# KiCad board rabbit_mask_capacitors.kicad_pcb (continued)
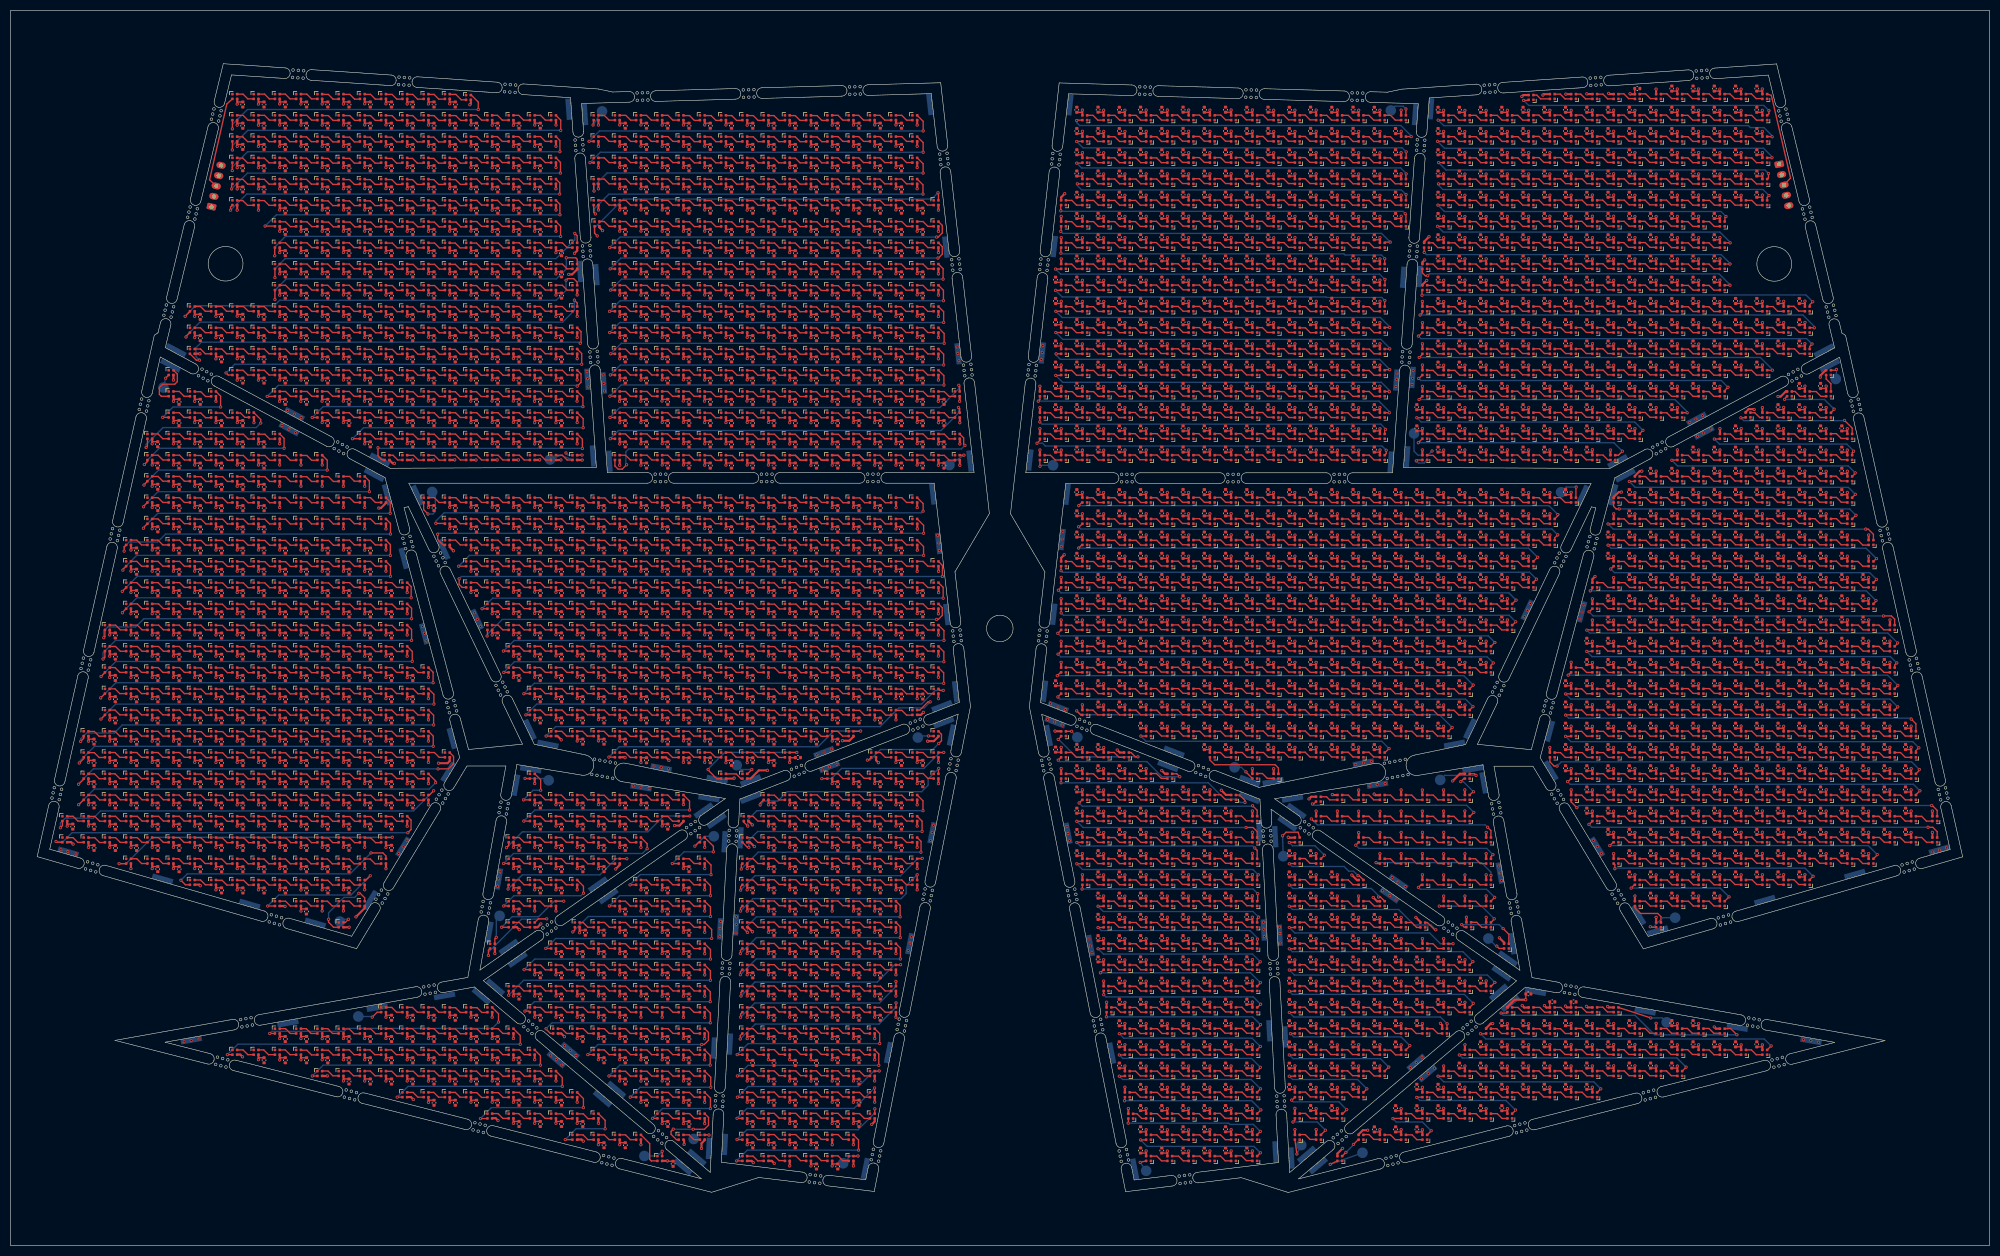
[diagram p0: board, top side]
## Placement (name value [footprint] x y rotation side) (continued)
D2117  SK6812-1515  [LED_SK6812_EC15_1.5x1.5mm]  214.2 136.36 180 top
D2118  SK6812-1515  [LED_SK6812_EC15_1.5x1.5mm]  218.2 136.36 180 top
D2119  SK6812-1515  [LED_SK6812_EC15_1.5x1.5mm]  222.2 136.36 180 top
D2120  SK6812-1515  [LED_SK6812_EC15_1.5x1.5mm]  226.2 136.36 180 top
D2121  SK6812-1515  [LED_SK6812_EC15_1.5x1.5mm]  230.2 136.36 180 top
D2122  SK6812-1515  [LED_SK6812_EC15_1.5x1.5mm]  234.2 136.36 180 top
D2123  SK6812-1515  [LED_SK6812_EC15_1.5x1.5mm]  238.2 136.36 180 top
D2124  SK6812-1515  [LED_SK6812_EC15_1.5x1.5mm]  242.2 136.36 180 top
D2125  SK6812-1515  [LED_SK6812_EC15_1.5x1.5mm]  246.2 136.36 180 top
D2126  SK6812-1515  [LED_SK6812_EC15_1.5x1.5mm]  250.2 136.36 180 top
D2127  SK6812-1515  [LED_SK6812_EC15_1.5x1.5mm]  254.2 136.36 180 top
D2128  SK6812-1515  [LED_SK6812_EC15_1.5x1.5mm]  258.2 136.36 180 top
D2129  SK6812-1515  [LED_SK6812_EC15_1.5x1.5mm]  262.2 136.36 180 top
D2130  SK6812-1515  [LED_SK6812_EC15_1.5x1.5mm]  266.2 136.36 180 top
D2131  SK6812-1515  [LED_SK6812_EC15_1.5x1.5mm]  270.2 136.36 180 top
D2132  SK6812-1515  [LED_SK6812_EC15_1.5x1.5mm]  274.2 136.36 180 top
D2133  SK6812-1515  [LED_SK6812_EC15_1.5x1.5mm]  278.2 136.36 180 top
D2134  SK6812-1515  [LED_SK6812_EC15_1.5x1.5mm]  282.2 136.36 180 top
D2135  SK6812-1515  [LED_SK6812_EC15_1.5x1.5mm]  286.2 136.36 180 top
D2136  SK6812-1515  [LED_SK6812_EC15_1.5x1.5mm]  290.2 136.36 180 top
D2137  SK6812-1515  [LED_SK6812_EC15_1.5x1.5mm]  302.2 136.36 180 top
D2138  SK6812-1515  [LED_SK6812_EC15_1.5x1.5mm]  306.2 136.36 180 top
D2139  SK6812-1515  [LED_SK6812_EC15_1.5x1.5mm]  310.2 136.36 180 top
D2140  SK6812-1515  [LED_SK6812_EC15_1.5x1.5mm]  314.2 136.36 180 top
D2141  SK6812-1515  [LED_SK6812_EC15_1.5x1.5mm]  318.2 136.36 180 top
D2142  SK6812-1515  [LED_SK6812_EC15_1.5x1.5mm]  322.2 136.36 180 top
D2143  SK6812-1515  [LED_SK6812_EC15_1.5x1.5mm]  326.2 136.36 180 top
D2144  SK6812-1515  [LED_SK6812_EC15_1.5x1.5mm]  330.2 136.36 180 top
D2145  SK6812-1515  [LED_SK6812_EC15_1.5x1.5mm]  334.2 136.36 180 top
D2146  SK6812-1515  [LED_SK6812_EC15_1.5x1.5mm]  338.2 136.36 180 top
D2147  SK6812-1515  [LED_SK6812_EC15_1.5x1.5mm]  342.2 136.36 180 top
D2148  SK6812-1515  [LED_SK6812_EC15_1.5x1.5mm]  346.2 136.36 180 top
D2149  SK6812-1515  [LED_SK6812_EC15_1.5x1.5mm]  202.2 132.36 180 top
D2150  SK6812-1515  [LED_SK6812_EC15_1.5x1.5mm]  206.2 132.36 180 top
D2151  SK6812-1515  [LED_SK6812_EC15_1.5x1.5mm]  210.2 132.36 180 top
D2152  SK6812-1515  [LED_SK6812_EC15_1.5x1.5mm]  214.2 132.36 180 top
D2153  SK6812-1515  [LED_SK6812_EC15_1.5x1.5mm]  218.2 132.36 180 top
D2154  SK6812-1515  [LED_SK6812_EC15_1.5x1.5mm]  222.2 132.36 180 top
D2155  SK6812-1515  [LED_SK6812_EC15_1.5x1.5mm]  226.2 132.36 180 top
D2156  SK6812-1515  [LED_SK6812_EC15_1.5x1.5mm]  230.2 132.36 180 top
D2157  SK6812-1515  [LED_SK6812_EC15_1.5x1.5mm]  234.2 132.36 180 top
D2158  SK6812-1515  [LED_SK6812_EC15_1.5x1.5mm]  238.2 132.36 180 top
D2159  SK6812-1515  [LED_SK6812_EC15_1.5x1.5mm]  242.2 132.36 180 top
D2160  SK6812-1515  [LED_SK6812_EC15_1.5x1.5mm]  246.2 132.36 180 top
D2161  SK6812-1515  [LED_SK6812_EC15_1.5x1.5mm]  250.2 132.36 180 top
D2162  SK6812-1515  [LED_SK6812_EC15_1.5x1.5mm]  254.2 132.36 180 top
D2163  SK6812-1515  [LED_SK6812_EC15_1.5x1.5mm]  258.2 132.36 180 top
D2164  SK6812-1515  [LED_SK6812_EC15_1.5x1.5mm]  262.2 132.36 180 top
D2165  SK6812-1515  [LED_SK6812_EC15_1.5x1.5mm]  266.2 132.36 180 top
D2166  SK6812-1515  [LED_SK6812_EC15_1.5x1.5mm]  270.2 132.36 180 top
D2167  SK6812-1515  [LED_SK6812_EC15_1.5x1.5mm]  274.2 132.36 180 top
D2168  SK6812-1515  [LED_SK6812_EC15_1.5x1.5mm]  278.2 132.36 180 top
D2169  SK6812-1515  [LED_SK6812_EC15_1.5x1.5mm]  282.2 132.36 180 top
D2170  SK6812-1515  [LED_SK6812_EC15_1.5x1.5mm]  286.2 132.36 180 top
D2171  SK6812-1515  [LED_SK6812_EC15_1.5x1.5mm]  290.2 132.36 180 top
D2172  SK6812-1515  [LED_SK6812_EC15_1.5x1.5mm]  302.2 132.36 180 top
D2173  SK6812-1515  [LED_SK6812_EC15_1.5x1.5mm]  306.2 132.36 180 top
D2174  SK6812-1515  [LED_SK6812_EC15_1.5x1.5mm]  310.2 132.36 180 top
D2175  SK6812-1515  [LED_SK6812_EC15_1.5x1.5mm]  314.2 132.36 180 top
D2176  SK6812-1515  [LED_SK6812_EC15_1.5x1.5mm]  318.2 132.36 180 top
D2177  SK6812-1515  [LED_SK6812_EC15_1.5x1.5mm]  322.2 132.36 180 top
D2178  SK6812-1515  [LED_SK6812_EC15_1.5x1.5mm]  326.2 132.36 180 top
D2179  SK6812-1515  [LED_SK6812_EC15_1.5x1.5mm]  330.2 132.36 180 top
D2180  SK6812-1515  [LED_SK6812_EC15_1.5x1.5mm]  334.2 132.36 180 top
D2181  SK6812-1515  [LED_SK6812_EC15_1.5x1.5mm]  338.2 132.36 180 top
D2182  SK6812-1515  [LED_SK6812_EC15_1.5x1.5mm]  342.2 132.36 180 top
D2183  SK6812-1515  [LED_SK6812_EC15_1.5x1.5mm]  346.2 132.36 180 top
D2184  SK6812-1515  [LED_SK6812_EC15_1.5x1.5mm]  350.2 132.36 180 top
D2185  SK6812-1515  [LED_SK6812_EC15_1.5x1.5mm]  198.2 128.36 180 top
D2186  SK6812-1515  [LED_SK6812_EC15_1.5x1.5mm]  202.2 128.36 180 top
D2187  SK6812-1515  [LED_SK6812_EC15_1.5x1.5mm]  206.2 128.36 180 top
D2188  SK6812-1515  [LED_SK6812_EC15_1.5x1.5mm]  210.2 128.36 180 top
D2189  SK6812-1515  [LED_SK6812_EC15_1.5x1.5mm]  214.2 128.36 180 top
D2190  SK6812-1515  [LED_SK6812_EC15_1.5x1.5mm]  218.2 128.36 180 top
D2191  SK6812-1515  [LED_SK6812_EC15_1.5x1.5mm]  222.2 128.36 180 top
D2192  SK6812-1515  [LED_SK6812_EC15_1.5x1.5mm]  226.2 128.36 180 top
D2193  SK6812-1515  [LED_SK6812_EC15_1.5x1.5mm]  230.2 128.36 180 top
D2194  SK6812-1515  [LED_SK6812_EC15_1.5x1.5mm]  234.2 128.36 180 top
D2195  SK6812-1515  [LED_SK6812_EC15_1.5x1.5mm]  238.2 128.36 180 top
D2196  SK6812-1515  [LED_SK6812_EC15_1.5x1.5mm]  242.2 128.36 180 top
D2197  SK6812-1515  [LED_SK6812_EC15_1.5x1.5mm]  246.2 128.36 180 top
D2198  SK6812-1515  [LED_SK6812_EC15_1.5x1.5mm]  250.2 128.36 180 top
D2199  SK6812-1515  [LED_SK6812_EC15_1.5x1.5mm]  254.2 128.36 180 top
D2200  SK6812-1515  [LED_SK6812_EC15_1.5x1.5mm]  258.2 128.36 180 top
D2201  SK6812-1515  [LED_SK6812_EC15_1.5x1.5mm]  262.2 128.36 180 top
D2202  SK6812-1515  [LED_SK6812_EC15_1.5x1.5mm]  266.2 128.36 180 top
D2203  SK6812-1515  [LED_SK6812_EC15_1.5x1.5mm]  270.2 128.36 180 top
D2204  SK6812-1515  [LED_SK6812_EC15_1.5x1.5mm]  274.2 128.36 180 top
D2205  SK6812-1515  [LED_SK6812_EC15_1.5x1.5mm]  278.2 128.36 180 top
D2206  SK6812-1515  [LED_SK6812_EC15_1.5x1.5mm]  282.2 128.36 180 top
D2207  SK6812-1515  [LED_SK6812_EC15_1.5x1.5mm]  286.2 128.36 180 top
D2208  SK6812-1515  [LED_SK6812_EC15_1.5x1.5mm]  302.2 128.36 180 top
D2209  SK6812-1515  [LED_SK6812_EC15_1.5x1.5mm]  306.2 128.36 180 top
D2210  SK6812-1515  [LED_SK6812_EC15_1.5x1.5mm]  310.2 128.36 180 top
D2211  SK6812-1515  [LED_SK6812_EC15_1.5x1.5mm]  314.2 128.36 180 top
D2212  SK6812-1515  [LED_SK6812_EC15_1.5x1.5mm]  318.2 128.36 180 top
D2213  SK6812-1515  [LED_SK6812_EC15_1.5x1.5mm]  322.2 128.36 180 top
D2214  SK6812-1515  [LED_SK6812_EC15_1.5x1.5mm]  326.2 128.36 180 top
D2215  SK6812-1515  [LED_SK6812_EC15_1.5x1.5mm]  330.2 128.36 180 top
D2216  SK6812-1515  [LED_SK6812_EC15_1.5x1.5mm]  334.2 128.36 180 top
D2217  SK6812-1515  [LED_SK6812_EC15_1.5x1.5mm]  338.2 128.36 180 top
D2218  SK6812-1515  [LED_SK6812_EC15_1.5x1.5mm]  342.2 128.36 180 top
D2219  SK6812-1515  [LED_SK6812_EC15_1.5x1.5mm]  346.2 128.36 180 top
D2220  SK6812-1515  [LED_SK6812_EC15_1.5x1.5mm]  350.2 128.36 180 top
D2221  SK6812-1515  [LED_SK6812_EC15_1.5x1.5mm]  198.2 124.36 180 top
D2222  SK6812-1515  [LED_SK6812_EC15_1.5x1.5mm]  202.2 124.36 180 top
D2223  SK6812-1515  [LED_SK6812_EC15_1.5x1.5mm]  206.2 124.36 180 top
D2224  SK6812-1515  [LED_SK6812_EC15_1.5x1.5mm]  210.2 124.36 180 top
D2225  SK6812-1515  [LED_SK6812_EC15_1.5x1.5mm]  214.2 124.36 180 top
D2226  SK6812-1515  [LED_SK6812_EC15_1.5x1.5mm]  218.2 124.36 180 top
D2227  SK6812-1515  [LED_SK6812_EC15_1.5x1.5mm]  222.2 124.36 180 top
D2228  SK6812-1515  [LED_SK6812_EC15_1.5x1.5mm]  226.2 124.36 180 top
D2229  SK6812-1515  [LED_SK6812_EC15_1.5x1.5mm]  230.2 124.36 180 top
D2230  SK6812-1515  [LED_SK6812_EC15_1.5x1.5mm]  234.2 124.36 180 top
D2231  SK6812-1515  [LED_SK6812_EC15_1.5x1.5mm]  238.2 124.36 180 top
D2232  SK6812-1515  [LED_SK6812_EC15_1.5x1.5mm]  242.2 124.36 180 top
D2233  SK6812-1515  [LED_SK6812_EC15_1.5x1.5mm]  246.2 124.36 180 top
D2234  SK6812-1515  [LED_SK6812_EC15_1.5x1.5mm]  250.2 124.36 180 top
D2235  SK6812-1515  [LED_SK6812_EC15_1.5x1.5mm]  254.2 124.36 180 top
D2236  SK6812-1515  [LED_SK6812_EC15_1.5x1.5mm]  258.2 124.36 180 top
D2237  SK6812-1515  [LED_SK6812_EC15_1.5x1.5mm]  262.2 124.36 180 top
D2238  SK6812-1515  [LED_SK6812_EC15_1.5x1.5mm]  266.2 124.36 180 top
D2239  SK6812-1515  [LED_SK6812_EC15_1.5x1.5mm]  270.2 124.36 180 top
D2240  SK6812-1515  [LED_SK6812_EC15_1.5x1.5mm]  274.2 124.36 180 top
D2241  SK6812-1515  [LED_SK6812_EC15_1.5x1.5mm]  278.2 124.36 180 top
D2242  SK6812-1515  [LED_SK6812_EC15_1.5x1.5mm]  282.2 124.36 180 top
D2243  SK6812-1515  [LED_SK6812_EC15_1.5x1.5mm]  286.2 124.36 180 top
D2244  SK6812-1515  [LED_SK6812_EC15_1.5x1.5mm]  298.2 124.36 180 top
D2245  SK6812-1515  [LED_SK6812_EC15_1.5x1.5mm]  302.2 124.36 180 top
D2246  SK6812-1515  [LED_SK6812_EC15_1.5x1.5mm]  306.2 124.36 180 top
D2247  SK6812-1515  [LED_SK6812_EC15_1.5x1.5mm]  310.2 124.36 180 top
D2248  SK6812-1515  [LED_SK6812_EC15_1.5x1.5mm]  314.2 124.36 180 top
D2249  SK6812-1515  [LED_SK6812_EC15_1.5x1.5mm]  318.2 124.36 180 top
D2250  SK6812-1515  [LED_SK6812_EC15_1.5x1.5mm]  322.2 124.36 180 top
D2251  SK6812-1515  [LED_SK6812_EC15_1.5x1.5mm]  326.2 124.36 180 top
D2252  SK6812-1515  [LED_SK6812_EC15_1.5x1.5mm]  330.2 124.36 180 top
D2253  SK6812-1515  [LED_SK6812_EC15_1.5x1.5mm]  334.2 124.36 180 top
D2254  SK6812-1515  [LED_SK6812_EC15_1.5x1.5mm]  338.2 124.36 180 top
D2255  SK6812-1515  [LED_SK6812_EC15_1.5x1.5mm]  342.2 124.36 180 top
D2256  SK6812-1515  [LED_SK6812_EC15_1.5x1.5mm]  346.2 124.36 180 top
D2257  SK6812-1515  [LED_SK6812_EC15_1.5x1.5mm]  350.2 124.36 180 top
D2258  SK6812-1515  [LED_SK6812_EC15_1.5x1.5mm]  198.2 120.36 180 top
D2259  SK6812-1515  [LED_SK6812_EC15_1.5x1.5mm]  202.2 120.36 180 top
D2260  SK6812-1515  [LED_SK6812_EC15_1.5x1.5mm]  206.2 120.36 180 top
D2261  SK6812-1515  [LED_SK6812_EC15_1.5x1.5mm]  210.2 120.36 180 top
D2262  SK6812-1515  [LED_SK6812_EC15_1.5x1.5mm]  214.2 120.36 180 top
D2263  SK6812-1515  [LED_SK6812_EC15_1.5x1.5mm]  218.2 120.36 180 top
D2264  SK6812-1515  [LED_SK6812_EC15_1.5x1.5mm]  222.2 120.36 180 top
D2265  SK6812-1515  [LED_SK6812_EC15_1.5x1.5mm]  226.2 120.36 180 top
D2266  SK6812-1515  [LED_SK6812_EC15_1.5x1.5mm]  230.2 120.36 180 top
D2267  SK6812-1515  [LED_SK6812_EC15_1.5x1.5mm]  234.2 120.36 180 top
D2268  SK6812-1515  [LED_SK6812_EC15_1.5x1.5mm]  238.2 120.36 180 top
D2269  SK6812-1515  [LED_SK6812_EC15_1.5x1.5mm]  242.2 120.36 180 top
D2270  SK6812-1515  [LED_SK6812_EC15_1.5x1.5mm]  246.2 120.36 180 top
D2271  SK6812-1515  [LED_SK6812_EC15_1.5x1.5mm]  250.2 120.36 180 top
D2272  SK6812-1515  [LED_SK6812_EC15_1.5x1.5mm]  254.2 120.36 180 top
D2273  SK6812-1515  [LED_SK6812_EC15_1.5x1.5mm]  258.2 120.36 180 top
D2274  SK6812-1515  [LED_SK6812_EC15_1.5x1.5mm]  262.2 120.36 180 top
D2275  SK6812-1515  [LED_SK6812_EC15_1.5x1.5mm]  266.2 120.36 180 top
D2276  SK6812-1515  [LED_SK6812_EC15_1.5x1.5mm]  270.2 120.36 180 top
D2277  SK6812-1515  [LED_SK6812_EC15_1.5x1.5mm]  274.2 120.36 180 top
D2278  SK6812-1515  [LED_SK6812_EC15_1.5x1.5mm]  278.2 120.36 180 top
D2279  SK6812-1515  [LED_SK6812_EC15_1.5x1.5mm]  282.2 120.36 180 top
D2280  SK6812-1515  [LED_SK6812_EC15_1.5x1.5mm]  298.2 120.36 180 top
D2281  SK6812-1515  [LED_SK6812_EC15_1.5x1.5mm]  302.2 120.36 180 top
D2282  SK6812-1515  [LED_SK6812_EC15_1.5x1.5mm]  306.2 120.36 180 top
D2283  SK6812-1515  [LED_SK6812_EC15_1.5x1.5mm]  310.2 120.36 180 top
D2284  SK6812-1515  [LED_SK6812_EC15_1.5x1.5mm]  314.2 120.36 180 top
D2285  SK6812-1515  [LED_SK6812_EC15_1.5x1.5mm]  318.2 120.36 180 top
D2286  SK6812-1515  [LED_SK6812_EC15_1.5x1.5mm]  322.2 120.36 180 top
D2287  SK6812-1515  [LED_SK6812_EC15_1.5x1.5mm]  326.2 120.36 180 top
D2288  SK6812-1515  [LED_SK6812_EC15_1.5x1.5mm]  330.2 120.36 180 top
D2289  SK6812-1515  [LED_SK6812_EC15_1.5x1.5mm]  334.2 120.36 180 top
D2290  SK6812-1515  [LED_SK6812_EC15_1.5x1.5mm]  338.2 120.36 180 top
D2291  SK6812-1515  [LED_SK6812_EC15_1.5x1.5mm]  342.2 120.36 180 top
D2292  SK6812-1515  [LED_SK6812_EC15_1.5x1.5mm]  346.2 120.36 180 top
D2293  SK6812-1515  [LED_SK6812_EC15_1.5x1.5mm]  350.2 120.36 180 top
D2294  SK6812-1515  [LED_SK6812_EC15_1.5x1.5mm]  198.2 116.36 180 top
D2295  SK6812-1515  [LED_SK6812_EC15_1.5x1.5mm]  202.2 116.36 180 top
D2296  SK6812-1515  [LED_SK6812_EC15_1.5x1.5mm]  206.2 116.36 180 top
D2297  SK6812-1515  [LED_SK6812_EC15_1.5x1.5mm]  210.2 116.36 180 top
D2298  SK6812-1515  [LED_SK6812_EC15_1.5x1.5mm]  214.2 116.36 180 top
D2299  SK6812-1515  [LED_SK6812_EC15_1.5x1.5mm]  218.2 116.36 180 top
D2300  SK6812-1515  [LED_SK6812_EC15_1.5x1.5mm]  222.2 116.36 180 top
D2301  SK6812-1515  [LED_SK6812_EC15_1.5x1.5mm]  226.2 116.36 180 top
D2302  SK6812-1515  [LED_SK6812_EC15_1.5x1.5mm]  230.2 116.36 180 top
D2303  SK6812-1515  [LED_SK6812_EC15_1.5x1.5mm]  234.2 116.36 180 top
D2304  SK6812-1515  [LED_SK6812_EC15_1.5x1.5mm]  238.2 116.36 180 top
D2305  SK6812-1515  [LED_SK6812_EC15_1.5x1.5mm]  242.2 116.36 180 top
D2306  SK6812-1515  [LED_SK6812_EC15_1.5x1.5mm]  246.2 116.36 180 top
D2307  SK6812-1515  [LED_SK6812_EC15_1.5x1.5mm]  250.2 116.36 180 top
D2308  SK6812-1515  [LED_SK6812_EC15_1.5x1.5mm]  254.2 116.36 180 top
D2309  SK6812-1515  [LED_SK6812_EC15_1.5x1.5mm]  258.2 116.36 180 top
D2310  SK6812-1515  [LED_SK6812_EC15_1.5x1.5mm]  262.2 116.36 180 top
D2311  SK6812-1515  [LED_SK6812_EC15_1.5x1.5mm]  266.2 116.36 180 top
D2312  SK6812-1515  [LED_SK6812_EC15_1.5x1.5mm]  270.2 116.36 180 top
D2313  SK6812-1515  [LED_SK6812_EC15_1.5x1.5mm]  274.2 116.36 180 top
D2314  SK6812-1515  [LED_SK6812_EC15_1.5x1.5mm]  278.2 116.36 180 top
D2315  SK6812-1515  [LED_SK6812_EC15_1.5x1.5mm]  282.2 116.36 180 top
D2316  SK6812-1515  [LED_SK6812_EC15_1.5x1.5mm]  298.2 116.36 180 top
D2317  SK6812-1515  [LED_SK6812_EC15_1.5x1.5mm]  302.2 116.36 180 top
D2318  SK6812-1515  [LED_SK6812_EC15_1.5x1.5mm]  306.2 116.36 180 top
D2319  SK6812-1515  [LED_SK6812_EC15_1.5x1.5mm]  310.2 116.36 180 top
D2320  SK6812-1515  [LED_SK6812_EC15_1.5x1.5mm]  314.2 116.36 180 top
D2321  SK6812-1515  [LED_SK6812_EC15_1.5x1.5mm]  318.2 116.36 180 top
D2322  SK6812-1515  [LED_SK6812_EC15_1.5x1.5mm]  322.2 116.36 180 top
D2323  SK6812-1515  [LED_SK6812_EC15_1.5x1.5mm]  326.2 116.36 180 top
D2324  SK6812-1515  [LED_SK6812_EC15_1.5x1.5mm]  330.2 116.36 180 top
D2325  SK6812-1515  [LED_SK6812_EC15_1.5x1.5mm]  334.2 116.36 180 top
D2326  SK6812-1515  [LED_SK6812_EC15_1.5x1.5mm]  338.2 116.36 180 top
D2327  SK6812-1515  [LED_SK6812_EC15_1.5x1.5mm]  342.2 116.36 180 top
D2328  SK6812-1515  [LED_SK6812_EC15_1.5x1.5mm]  346.2 116.36 180 top
D2329  SK6812-1515  [LED_SK6812_EC15_1.5x1.5mm]  350.2 116.36 180 top
D2330  SK6812-1515  [LED_SK6812_EC15_1.5x1.5mm]  354.2 116.36 180 top
D2331  SK6812-1515  [LED_SK6812_EC15_1.5x1.5mm]  198.2 112.36 180 top
D2332  SK6812-1515  [LED_SK6812_EC15_1.5x1.5mm]  202.2 112.36 180 top
D2333  SK6812-1515  [LED_SK6812_EC15_1.5x1.5mm]  206.2 112.36 180 top
D2334  SK6812-1515  [LED_SK6812_EC15_1.5x1.5mm]  210.2 112.36 180 top
D2335  SK6812-1515  [LED_SK6812_EC15_1.5x1.5mm]  214.2 112.36 180 top
D2336  SK6812-1515  [LED_SK6812_EC15_1.5x1.5mm]  218.2 112.36 180 top
D2337  SK6812-1515  [LED_SK6812_EC15_1.5x1.5mm]  222.2 112.36 180 top
D2338  SK6812-1515  [LED_SK6812_EC15_1.5x1.5mm]  226.2 112.36 180 top
D2339  SK6812-1515  [LED_SK6812_EC15_1.5x1.5mm]  230.2 112.36 180 top
D2340  SK6812-1515  [LED_SK6812_EC15_1.5x1.5mm]  234.2 112.36 180 top
D2341  SK6812-1515  [LED_SK6812_EC15_1.5x1.5mm]  238.2 112.36 180 top
D2342  SK6812-1515  [LED_SK6812_EC15_1.5x1.5mm]  242.2 112.36 180 top
D2343  SK6812-1515  [LED_SK6812_EC15_1.5x1.5mm]  246.2 112.36 180 top
D2344  SK6812-1515  [LED_SK6812_EC15_1.5x1.5mm]  250.2 112.36 180 top
D2345  SK6812-1515  [LED_SK6812_EC15_1.5x1.5mm]  254.2 112.36 180 top
D2346  SK6812-1515  [LED_SK6812_EC15_1.5x1.5mm]  258.2 112.36 180 top
D2347  SK6812-1515  [LED_SK6812_EC15_1.5x1.5mm]  262.2 112.36 180 top
D2348  SK6812-1515  [LED_SK6812_EC15_1.5x1.5mm]  266.2 112.36 180 top
D2349  SK6812-1515  [LED_SK6812_EC15_1.5x1.5mm]  270.2 112.36 180 top
D2350  SK6812-1515  [LED_SK6812_EC15_1.5x1.5mm]  274.2 112.36 180 top
D2351  SK6812-1515  [LED_SK6812_EC15_1.5x1.5mm]  278.2 112.36 180 top
D2352  SK6812-1515  [LED_SK6812_EC15_1.5x1.5mm]  298.2 112.36 180 top
D2353  SK6812-1515  [LED_SK6812_EC15_1.5x1.5mm]  302.2 112.36 180 top
D2354  SK6812-1515  [LED_SK6812_EC15_1.5x1.5mm]  306.2 112.36 180 top
D2355  SK6812-1515  [LED_SK6812_EC15_1.5x1.5mm]  310.2 112.36 180 top
D2356  SK6812-1515  [LED_SK6812_EC15_1.5x1.5mm]  314.2 112.36 180 top
D2357  SK6812-1515  [LED_SK6812_EC15_1.5x1.5mm]  318.2 112.36 180 top
D2358  SK6812-1515  [LED_SK6812_EC15_1.5x1.5mm]  322.2 112.36 180 top
D2359  SK6812-1515  [LED_SK6812_EC15_1.5x1.5mm]  326.2 112.36 180 top
D2360  SK6812-1515  [LED_SK6812_EC15_1.5x1.5mm]  330.2 112.36 180 top
D2361  SK6812-1515  [LED_SK6812_EC15_1.5x1.5mm]  334.2 112.36 180 top
D2362  SK6812-1515  [LED_SK6812_EC15_1.5x1.5mm]  338.2 112.36 180 top
D2363  SK6812-1515  [LED_SK6812_EC15_1.5x1.5mm]  342.2 112.36 180 top
D2364  SK6812-1515  [LED_SK6812_EC15_1.5x1.5mm]  346.2 112.36 180 top
D2365  SK6812-1515  [LED_SK6812_EC15_1.5x1.5mm]  350.2 112.36 180 top
D2366  SK6812-1515  [LED_SK6812_EC15_1.5x1.5mm]  354.2 112.36 180 top
D2367  SK6812-1515  [LED_SK6812_EC15_1.5x1.5mm]  198.2 108.36 180 top
D2368  SK6812-1515  [LED_SK6812_EC15_1.5x1.5mm]  202.2 108.36 180 top
D2369  SK6812-1515  [LED_SK6812_EC15_1.5x1.5mm]  206.2 108.36 180 top
D2370  SK6812-1515  [LED_SK6812_EC15_1.5x1.5mm]  210.2 108.36 180 top
D2371  SK6812-1515  [LED_SK6812_EC15_1.5x1.5mm]  214.2 108.36 180 top
D2372  SK6812-1515  [LED_SK6812_EC15_1.5x1.5mm]  218.2 108.36 180 top
D2373  SK6812-1515  [LED_SK6812_EC15_1.5x1.5mm]  222.2 108.36 180 top
D2374  SK6812-1515  [LED_SK6812_EC15_1.5x1.5mm]  226.2 108.36 180 top
D2375  SK6812-1515  [LED_SK6812_EC15_1.5x1.5mm]  230.2 108.36 180 top
D2376  SK6812-1515  [LED_SK6812_EC15_1.5x1.5mm]  234.2 108.36 180 top
D2377  SK6812-1515  [LED_SK6812_EC15_1.5x1.5mm]  238.2 108.36 180 top
D2378  SK6812-1515  [LED_SK6812_EC15_1.5x1.5mm]  242.2 108.36 180 top
D2379  SK6812-1515  [LED_SK6812_EC15_1.5x1.5mm]  246.2 108.36 180 top
D2380  SK6812-1515  [LED_SK6812_EC15_1.5x1.5mm]  250.2 108.36 180 top
D2381  SK6812-1515  [LED_SK6812_EC15_1.5x1.5mm]  254.2 108.36 180 top
D2382  SK6812-1515  [LED_SK6812_EC15_1.5x1.5mm]  258.2 108.36 180 top
D2383  SK6812-1515  [LED_SK6812_EC15_1.5x1.5mm]  262.2 108.36 180 top
D2384  SK6812-1515  [LED_SK6812_EC15_1.5x1.5mm]  266.2 108.36 180 top
D2385  SK6812-1515  [LED_SK6812_EC15_1.5x1.5mm]  270.2 108.36 180 top
D2386  SK6812-1515  [LED_SK6812_EC15_1.5x1.5mm]  274.2 108.36 180 top
D2387  SK6812-1515  [LED_SK6812_EC15_1.5x1.5mm]  278.2 108.36 180 top
D2388  SK6812-1515  [LED_SK6812_EC15_1.5x1.5mm]  294.2 108.36 180 top
D2389  SK6812-1515  [LED_SK6812_EC15_1.5x1.5mm]  298.2 108.36 180 top
D2390  SK6812-1515  [LED_SK6812_EC15_1.5x1.5mm]  302.2 108.36 180 top
D2391  SK6812-1515  [LED_SK6812_EC15_1.5x1.5mm]  306.2 108.36 180 top
D2392  SK6812-1515  [LED_SK6812_EC15_1.5x1.5mm]  310.2 108.36 180 top
D2393  SK6812-1515  [LED_SK6812_EC15_1.5x1.5mm]  314.2 108.36 180 top
D2394  SK6812-1515  [LED_SK6812_EC15_1.5x1.5mm]  318.2 108.36 180 top
D2395  SK6812-1515  [LED_SK6812_EC15_1.5x1.5mm]  322.2 108.36 180 top
D2396  SK6812-1515  [LED_SK6812_EC15_1.5x1.5mm]  326.2 108.36 180 top
D2397  SK6812-1515  [LED_SK6812_EC15_1.5x1.5mm]  330.2 108.36 180 top
D2398  SK6812-1515  [LED_SK6812_EC15_1.5x1.5mm]  334.2 108.36 180 top
D2399  SK6812-1515  [LED_SK6812_EC15_1.5x1.5mm]  338.2 108.36 180 top
D2400  SK6812-1515  [LED_SK6812_EC15_1.5x1.5mm]  342.2 108.36 180 top
D2401  SK6812-1515  [LED_SK6812_EC15_1.5x1.5mm]  346.2 108.36 180 top
D2402  SK6812-1515  [LED_SK6812_EC15_1.5x1.5mm]  350.2 108.36 180 top
D2403  SK6812-1515  [LED_SK6812_EC15_1.5x1.5mm]  354.2 108.36 180 top
D2404  SK6812-1515  [LED_SK6812_EC15_1.5x1.5mm]  198.2 104.36 180 top
D2405  SK6812-1515  [LED_SK6812_EC15_1.5x1.5mm]  202.2 104.36 180 top
D2406  SK6812-1515  [LED_SK6812_EC15_1.5x1.5mm]  206.2 104.36 180 top
D2407  SK6812-1515  [LED_SK6812_EC15_1.5x1.5mm]  210.2 104.36 180 top
D2408  SK6812-1515  [LED_SK6812_EC15_1.5x1.5mm]  214.2 104.36 180 top
D2409  SK6812-1515  [LED_SK6812_EC15_1.5x1.5mm]  218.2 104.36 180 top
D2410  SK6812-1515  [LED_SK6812_EC15_1.5x1.5mm]  222.2 104.36 180 top
D2411  SK6812-1515  [LED_SK6812_EC15_1.5x1.5mm]  226.2 104.36 180 top
D2412  SK6812-1515  [LED_SK6812_EC15_1.5x1.5mm]  230.2 104.36 180 top
D2413  SK6812-1515  [LED_SK6812_EC15_1.5x1.5mm]  234.2 104.36 180 top
D2414  SK6812-1515  [LED_SK6812_EC15_1.5x1.5mm]  238.2 104.36 180 top
D2415  SK6812-1515  [LED_SK6812_EC15_1.5x1.5mm]  242.2 104.36 180 top
D2416  SK6812-1515  [LED_SK6812_EC15_1.5x1.5mm]  246.2 104.36 180 top
D2417  SK6812-1515  [LED_SK6812_EC15_1.5x1.5mm]  250.2 104.36 180 top
D2418  SK6812-1515  [LED_SK6812_EC15_1.5x1.5mm]  254.2 104.36 180 top
D2419  SK6812-1515  [LED_SK6812_EC15_1.5x1.5mm]  258.2 104.36 180 top
D2420  SK6812-1515  [LED_SK6812_EC15_1.5x1.5mm]  262.2 104.36 180 top
D2421  SK6812-1515  [LED_SK6812_EC15_1.5x1.5mm]  266.2 104.36 180 top
D2422  SK6812-1515  [LED_SK6812_EC15_1.5x1.5mm]  270.2 104.36 180 top
D2423  SK6812-1515  [LED_SK6812_EC15_1.5x1.5mm]  274.2 104.36 180 top
D2424  SK6812-1515  [LED_SK6812_EC15_1.5x1.5mm]  294.2 104.36 180 top
D2425  SK6812-1515  [LED_SK6812_EC15_1.5x1.5mm]  298.2 104.36 180 top
D2426  SK6812-1515  [LED_SK6812_EC15_1.5x1.5mm]  302.2 104.36 180 top
D2427  SK6812-1515  [LED_SK6812_EC15_1.5x1.5mm]  306.2 104.36 180 top
D2428  SK6812-1515  [LED_SK6812_EC15_1.5x1.5mm]  310.2 104.36 180 top
D2429  SK6812-1515  [LED_SK6812_EC15_1.5x1.5mm]  314.2 104.36 180 top
D2430  SK6812-1515  [LED_SK6812_EC15_1.5x1.5mm]  318.2 104.36 180 top
D2431  SK6812-1515  [LED_SK6812_EC15_1.5x1.5mm]  322.2 104.36 180 top
D2432  SK6812-1515  [LED_SK6812_EC15_1.5x1.5mm]  326.2 104.36 180 top
D2433  SK6812-1515  [LED_SK6812_EC15_1.5x1.5mm]  330.2 104.36 180 top
D2434  SK6812-1515  [LED_SK6812_EC15_1.5x1.5mm]  334.2 104.36 180 top
D2435  SK6812-1515  [LED_SK6812_EC15_1.5x1.5mm]  338.2 104.36 180 top
D2436  SK6812-1515  [LED_SK6812_EC15_1.5x1.5mm]  342.2 104.36 180 top
D2437  SK6812-1515  [LED_SK6812_EC15_1.5x1.5mm]  346.2 104.36 180 top
D2438  SK6812-1515  [LED_SK6812_EC15_1.5x1.5mm]  350.2 104.36 180 top
D2439  SK6812-1515  [LED_SK6812_EC15_1.5x1.5mm]  354.2 104.36 180 top
D2440  SK6812-1515  [LED_SK6812_EC15_1.5x1.5mm]  202.2 100.36 180 top
D2441  SK6812-1515  [LED_SK6812_EC15_1.5x1.5mm]  206.2 100.36 180 top
D2442  SK6812-1515  [LED_SK6812_EC15_1.5x1.5mm]  210.2 100.36 180 top
D2443  SK6812-1515  [LED_SK6812_EC15_1.5x1.5mm]  214.2 100.36 180 top
D2444  SK6812-1515  [LED_SK6812_EC15_1.5x1.5mm]  218.2 100.36 180 top
D2445  SK6812-1515  [LED_SK6812_EC15_1.5x1.5mm]  222.2 100.36 180 top
D2446  SK6812-1515  [LED_SK6812_EC15_1.5x1.5mm]  226.2 100.36 180 top
D2447  SK6812-1515  [LED_SK6812_EC15_1.5x1.5mm]  230.2 100.36 180 top
D2448  SK6812-1515  [LED_SK6812_EC15_1.5x1.5mm]  234.2 100.36 180 top
D2449  SK6812-1515  [LED_SK6812_EC15_1.5x1.5mm]  238.2 100.36 180 top
D2450  SK6812-1515  [LED_SK6812_EC15_1.5x1.5mm]  242.2 100.36 180 top
D2451  SK6812-1515  [LED_SK6812_EC15_1.5x1.5mm]  246.2 100.36 180 top
D2452  SK6812-1515  [LED_SK6812_EC15_1.5x1.5mm]  250.2 100.36 180 top
D2453  SK6812-1515  [LED_SK6812_EC15_1.5x1.5mm]  254.2 100.36 180 top
D2454  SK6812-1515  [LED_SK6812_EC15_1.5x1.5mm]  258.2 100.36 180 top
D2455  SK6812-1515  [LED_SK6812_EC15_1.5x1.5mm]  262.2 100.36 180 top
D2456  SK6812-1515  [LED_SK6812_EC15_1.5x1.5mm]  266.2 100.36 180 top
D2457  SK6812-1515  [LED_SK6812_EC15_1.5x1.5mm]  270.2 100.36 180 top
D2458  SK6812-1515  [LED_SK6812_EC15_1.5x1.5mm]  274.2 100.36 180 top
D2459  SK6812-1515  [LED_SK6812_EC15_1.5x1.5mm]  294.2 100.36 180 top
D2460  SK6812-1515  [LED_SK6812_EC15_1.5x1.5mm]  298.2 100.36 180 top
D2461  SK6812-1515  [LED_SK6812_EC15_1.5x1.5mm]  302.2 100.36 180 top
D2462  SK6812-1515  [LED_SK6812_EC15_1.5x1.5mm]  306.2 100.36 180 top
D2463  SK6812-1515  [LED_SK6812_EC15_1.5x1.5mm]  310.2 100.36 180 top
D2464  SK6812-1515  [LED_SK6812_EC15_1.5x1.5mm]  314.2 100.36 180 top
D2465  SK6812-1515  [LED_SK6812_EC15_1.5x1.5mm]  318.2 100.36 180 top
D2466  SK6812-1515  [LED_SK6812_EC15_1.5x1.5mm]  322.2 100.36 180 top
D2467  SK6812-1515  [LED_SK6812_EC15_1.5x1.5mm]  326.2 100.36 180 top
D2468  SK6812-1515  [LED_SK6812_EC15_1.5x1.5mm]  330.2 100.36 180 top
D2469  SK6812-1515  [LED_SK6812_EC15_1.5x1.5mm]  334.2 100.36 180 top
D2470  SK6812-1515  [LED_SK6812_EC15_1.5x1.5mm]  338.2 100.36 180 top
D2471  SK6812-1515  [LED_SK6812_EC15_1.5x1.5mm]  342.2 100.36 180 top
D2472  SK6812-1515  [LED_SK6812_EC15_1.5x1.5mm]  346.2 100.36 180 top